# KiCad board inverter.kicad_pcb
title: Ownverter V0.1; date: 2023-05-24; note: Walter; note: PREL
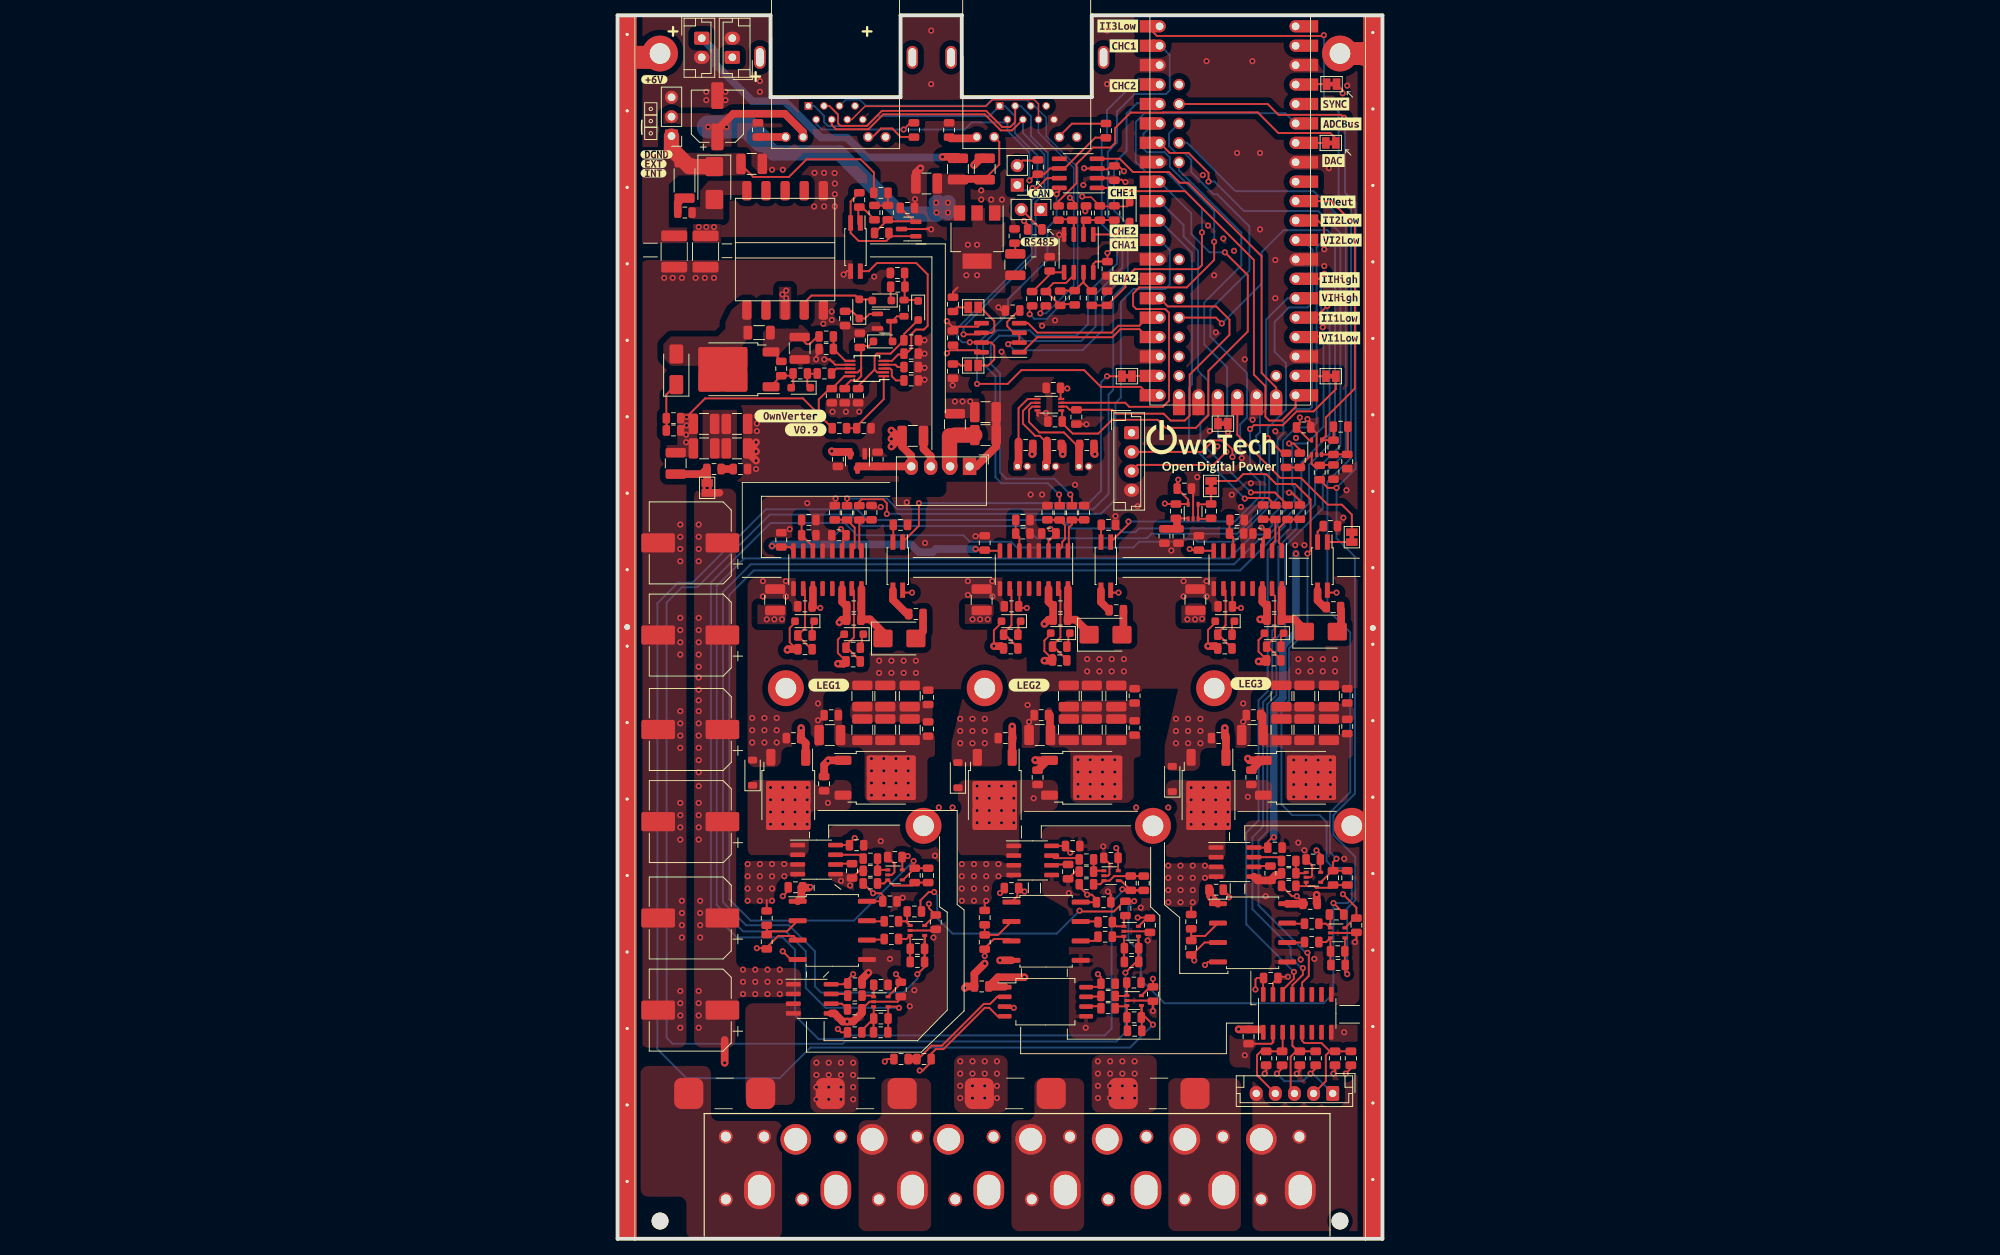
[diagram p0: board, top side]
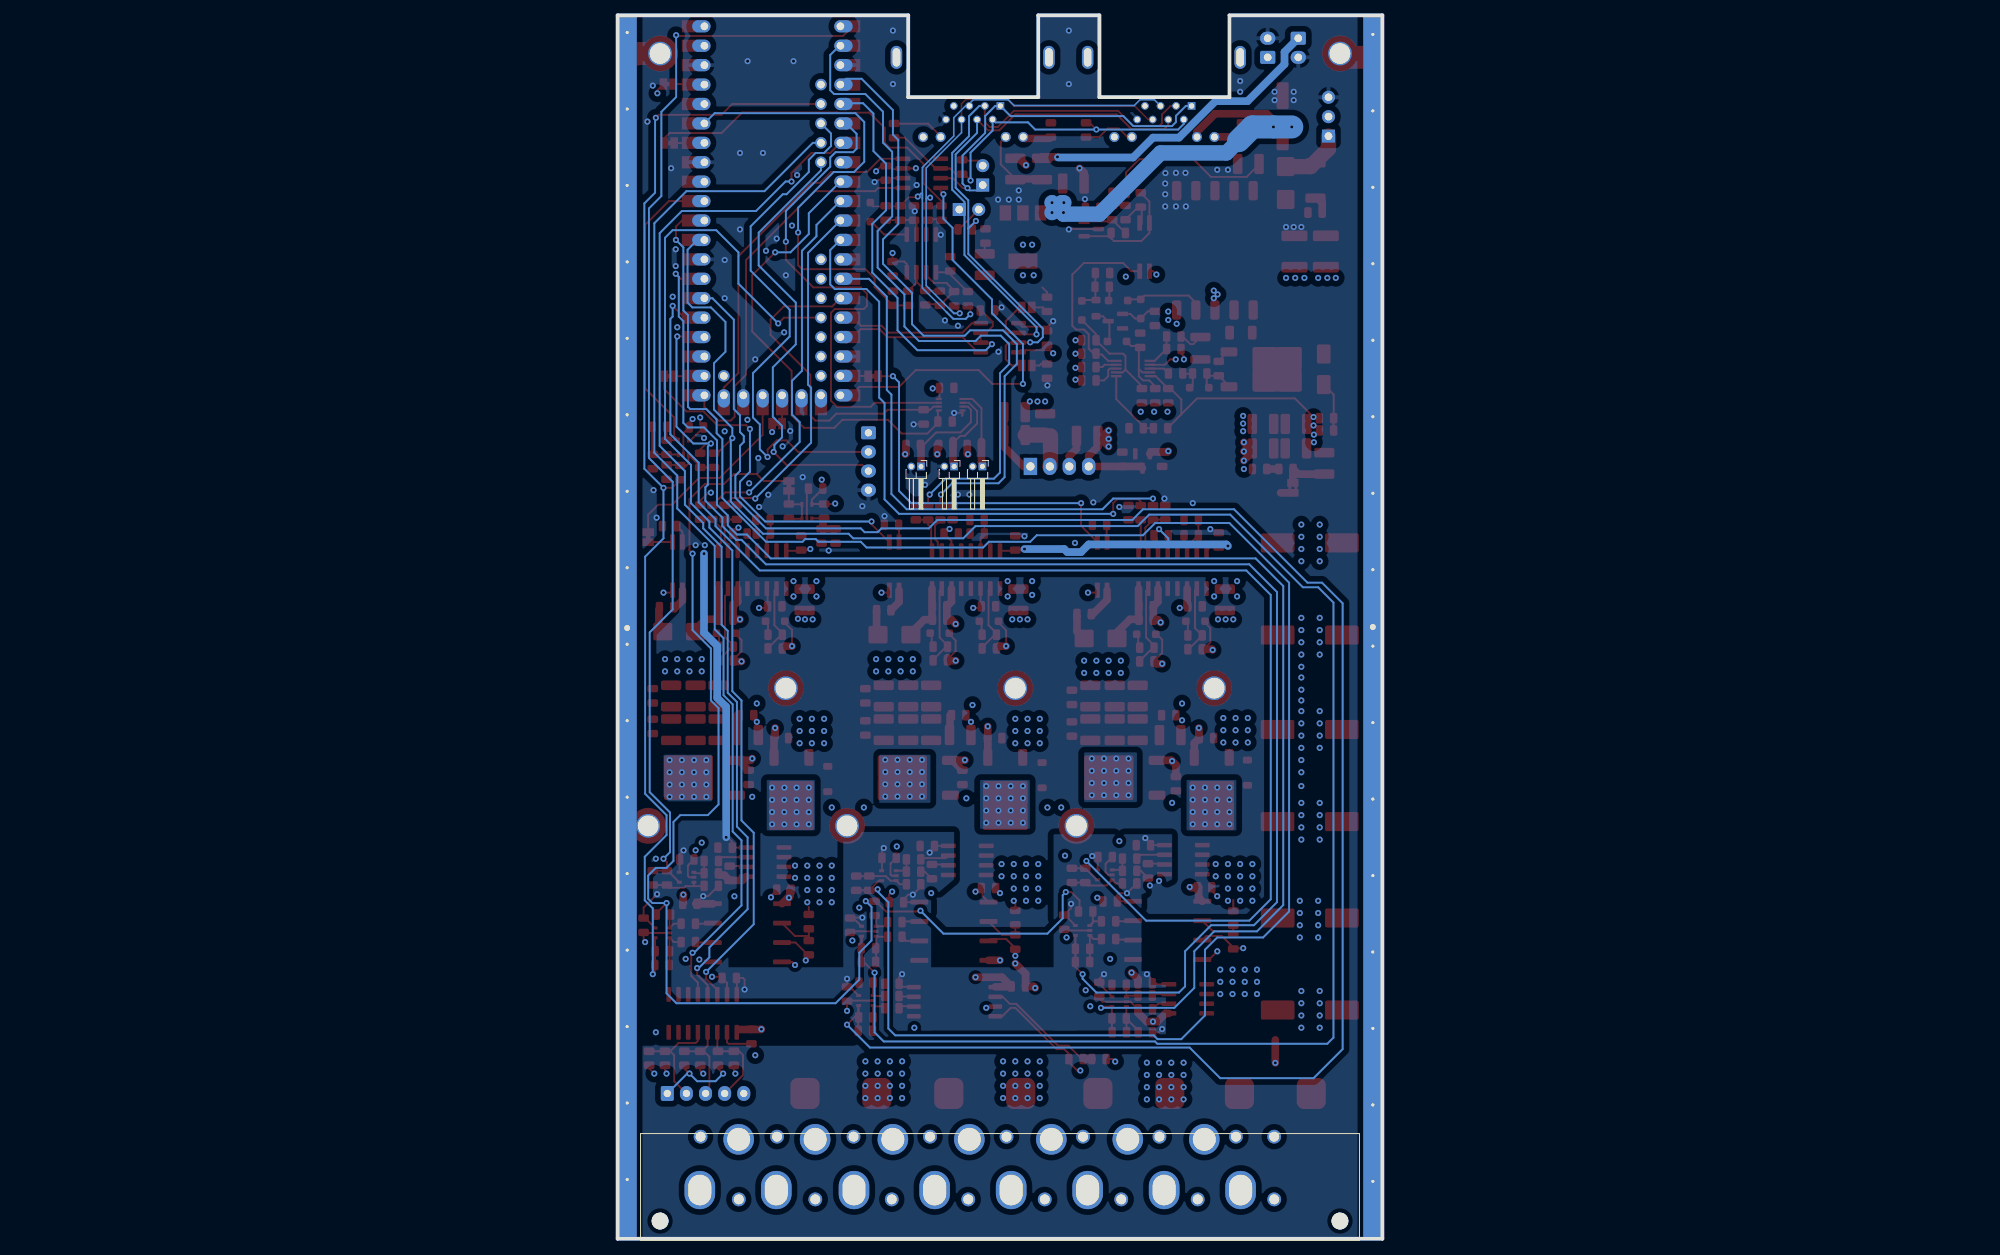
[diagram p1: board, bottom side, seen from below]

Outline 100 x 160 mm; copper layers: Top, In1.Cu (plane), In2.Cu (plane), In3.Cu, In4.Cu, Bottom. Coordinates in mm from the lower left corner of the outline.
Outline path: 0,160 0,0 100,0 100,160 62,160 62,149.3 45,149.3 45,160 37,160 37,149.3 20,149.3 20,160 0,160
Stack: Top 0.035mm / dielectric 0.0994mm FR4 er 4.5 / In1.Cu 0.0152mm / dielectric 0.55mm FR4 er 4.5 / In2.Cu 0.0152mm / dielectric 0.1088mm FR4 er 4.5 / In3.Cu 0.0152mm / dielectric 0.55mm FR4 er 4.5 / In4.Cu 0.0152mm / dielectric 0.0994mm FR4 er 4.5 / Bottom 0.035mm

## Placement (name value [footprint] x y rotation side)
C201  100nF  [C_0805_2012Metric]  47.6 33 180 top
C202  100nF  [C_0805_2012Metric]  31.03 33.4 180 top
C203  100nF  [C_0805_2012Metric]  64.14 33.35 180 top
C204  1nF  [C_0805_2012Metric]  31 30 180 top
C207  20pF  [C_0805_2012Metric]  67.6 27.2 0 top
C209  100nF  [C_0805_2012Metric]  70 32 270 top
C217  20pF  [C_0805_2012Metric]  34.42 28.8 0 top
C218  100nF  [C_0805_2012Metric]  37.03 32.6 270 top
C301  20pF  [C_0805_2012Metric]  94.54 106.2 180 top
C401  100nF  [C_0805_2012Metric]  64.95 139.37 270 top
C410  100nF  [C_0805_2012Metric]  43.85 117.8 90 top
C411  20pF  [C_0805_2012Metric]  59.77 123.06 270 top
C412  20pF  [C_0805_2012Metric]  64.95 134.15 90 top
C413  100nF  [C_0805_2012Metric]  64.05 126.85 270 top
C420  100nF  [C_0805_2012Metric]  56.97 111.28 0 top
C470  15nF  [C_0805_2012Metric]  64 123 90 top
C490  100nF  [C_0805_2012Metric]  93.6 100.26 270 top
C491  100nF  [C_0805_2012Metric]  89.7 106.1 0 top
C501  470nF  [C_0805_2012Metric]  12.61 100.66 0 top
C502  470nF  [C_0805_2012Metric]  16.06 100.66 0 top
C503  4.7uF  [C_1210_3225Metric]  11.31 103.36 0 top
C504  4.7uF  [C_1210_3225Metric]  15.61 103.36 0 top
C505  4.7uF  [C_1210_3225Metric]  11.3 106.56 0 top
C506  4.7uF  [C_1210_3225Metric]  15.61 106.56 0 top
C507  10nF  [C_0805_2012Metric]  31.45 110.25 90 top
C508  22nF  [C_0805_2012Metric]  38.38 112.25 0 top
C509  1nF  [C_0805_2012Metric]  38.38 115.75 0 top
C510  C0G, 100pF  [C_0805_2012Metric]  27.28 116.36 180 top
C511  X7T, 100nF  [C_0805_2012Metric]  28 110.25 270 top
C512  1uF  [C_0805_2012Metric]  31.67 117.5 90 top
C513  1uF  [C_0805_2012Metric]  36.59 126.3 180 top
C514  6.8nF  [C_0805_2012Metric]  7.31 107.31 180 top
C515  100pF  [C_1206_3216Metric]  18.5 118.5 0 top
C516  2.2nF  [C_1812_4532Metric]  11.5 129.11 90 top
C517  2.2nF  [C_1812_4532Metric]  7.4 129.11 90 top
C518  1nF  [C_0805_2012Metric]  8.8 134.2 180 top
C519  10uF  [C_1210_3225Metric]  17.52 140.56 0 top
C520  6.8nF  [C_0805_2012Metric]  34.54 131.53 180 top
C521  100uF  [CP_Elec_6.3x7.7]  13.05 146.8 90 top
C522  10uF  [C_1210_3225Metric]  40.4 138 180 top
C523  10uF  [C_1210_3225Metric]  52 127.4 90 top
C524  10uF  [C_1210_3225Metric]  48.1 108.1 0 top
C525  10uF  [C_1210_3225Metric]  48.1 105.1 0 top
C526  10uF  [C_1210_3225Metric]  38.6 105 0 top
C527  1uF  [C_0805_2012Metric]  34 101.94 90 top
C528  1uF  [C_0805_2012Metric]  28.8 101.94 270 top
C529  20pF  [C_0805_2012Metric]  73.33 91.9 90 top
C530  100nF  [C_0805_2012Metric]  74.1 98.1 0 top
C531  20pF  [C_0805_2012Metric]  77.6 95.15 270 top
C601  100nF  [C_0805_2012Metric]  23.25 45.97 0 top
C602  100nF  [C_0805_2012Metric]  28.94 92 180 top
C603  20pF  [C_0805_2012Metric]  33.2 94.96 270 top
C604  20pF  [C_0805_2012Metric]  28.4 94.96 90 top
C605  100nF  [C_0805_2012Metric]  21.4 91.4 90 top
C606  100nF  [C_0805_2012Metric]  35.6 44.12 0 top
C607  100nF  [C_0805_2012Metric]  25 92 0 top
C608  1nF  [C_0805_2012Metric]  27.94 68.47 180 top
C609  100nF  [C_1210_3225Metric]  27.75 65.86 180 top
C610  20pF  [C_0805_2012Metric]  39.2 37.91 0 top
C611  100nF  [C_0805_2012Metric]  31.25 51.47 0 top
C612  100nF  [C_0805_2012Metric]  30.89 82.7 180 top
C613  100nF  [C_0805_2012Metric]  41.6 41.4 270 top
C614  100nF  [C_0805_2012Metric]  24.5 82.7 180 top
C615  1uF  [C_0805_2012Metric]  30.89 80.96 180 top
C616  10uF  [C_1210_3225Metric]  20.6 83.56 90 top
C617  1nF  [C_0805_2012Metric]  30.65 48.12 90 top
C618  20pF  [C_0805_2012Metric]  40.6 47.51 90 top
C619  100nF  [C_0805_2012Metric]  36.25 49.91 180 top
C620  33uF  [CP_Elec_10x10.5]  9.5 91 180 top
C621  33uF  [CP_Elec_10x10.5]  9.5 78.95 180 top
C622  4.7uF  [C_1210_3225Metric]  38.2 66.58 90 top
C623  4.7uF  [C_1210_3225Metric]  35 70.97 90 top
C624  4.7uF  [C_1210_3225Metric]  35 66.58 90 top
C625  4.7uF  [C_1210_3225Metric]  38.2 70.97 90 top
C626  4.7uF  [C_1210_3225Metric]  32 66.58 90 top
C627  4.7uF  [C_1210_3225Metric]  32 70.97 90 top
C701  100nF  [C_0805_2012Metric]  51.5 45.86 0 top
C702  100nF  [C_0805_2012Metric]  56.39 92.22 180 top
C703  20pF  [C_0805_2012Metric]  61 94.96 270 top
C704  20pF  [C_0805_2012Metric]  56.2 94.96 90 top
C705  100nF  [C_0805_2012Metric]  48 91 90 top
C706  100nF  [C_0805_2012Metric]  63.55 44.01 0 top
C707  100nF  [C_0805_2012Metric]  52.99 92.22 0 top
C708  1nF  [C_0805_2012Metric]  55.4 68.47 180 top
C709  100nF  [C_1210_3225Metric]  55.2 65.88 180 top
C710  20pF  [C_0805_2012Metric]  67.2 38 0 top
C711  100nF  [C_0805_2012Metric]  59.5 51.36 0 top
C712  100nF  [C_0805_2012Metric]  57.89 82.7 180 top
C713  100nF  [C_0805_2012Metric]  69.6 41 270 top
C714  100nF  [C_0805_2012Metric]  51.5 82.7 180 top
C715  1uF  [C_0805_2012Metric]  57.89 80.96 180 top
C716  10uF  [C_1210_3225Metric]  47.6 83.56 90 top
C717  1nF  [C_0805_2012Metric]  58.9 48.01 90 top
C718  20pF  [C_0805_2012Metric]  67.1 46.5 270 top
C719  100nF  [C_0805_2012Metric]  64.5 49.81 180 top
C720  33uF  [CP_Elec_10x10.5]  9.51 66.6 180 top
C721  33uF  [CP_Elec_10x10.5]  9.51 54.55 180 top
C722  4.7uF  [C_1210_3225Metric]  65.2 66.58 90 top
C723  4.7uF  [C_1210_3225Metric]  62 70.97 90 top
C724  4.7uF  [C_1210_3225Metric]  62 66.58 90 top
C725  4.7uF  [C_1210_3225Metric]  65.2 70.97 90 top
C726  4.7uF  [C_1210_3225Metric]  59 66.58 90 top
C727  4.7uF  [C_1210_3225Metric]  59 70.97 90 top
C801  100nF  [C_0805_2012Metric]  78.25 45.65 180 top
C802  100nF  [C_0805_2012Metric]  84 92.22 180 top
C803  20pF  [C_0805_2012Metric]  89.2 95.03 270 top
C804  20pF  [C_0805_2012Metric]  84.4 95.03 90 top
C805  100nF  [C_0805_2012Metric]  76 91 90 top
C806  100nF  [C_0805_2012Metric]  90.55 43.8 0 top
C807  100nF  [C_0805_2012Metric]  80.94 92.22 0 top
C808  1nF  [C_0805_2012Metric]  83.14 68.47 180 top
C809  100nF  [C_1210_3225Metric]  83 65.88 180 top
C810  20pF  [C_0805_2012Metric]  94.15 37.6 0 top
C811  100nF  [C_0805_2012Metric]  85.95 51.15 0 top
C812  100nF  [C_0805_2012Metric]  85.84 82.7 180 top
C813  100nF  [C_0805_2012Metric]  96.6 41 270 top
C814  100nF  [C_0805_2012Metric]  79.45 82.7 180 top
C815  1uF  [C_0805_2012Metric]  85.84 80.96 180 top
C816  10uF  [C_1210_3225Metric]  75.55 83.56 90 top
C817  1nF  [C_0805_2012Metric]  85.35 47.8 90 top
C818  20pF  [C_0805_2012Metric]  95.4 47.2 90 top
C819  100nF  [C_0805_2012Metric]  90.95 49.6 180 top
C820  33uF  [CP_Elec_10x10.5]  9.5 41.95 180 top
C821  33uF  [CP_Elec_10x10.5]  9.5 29.9 180 top
C822  4.7uF  [C_1210_3225Metric]  93 66.58 90 top
C823  4.7uF  [C_1210_3225Metric]  89.8 70.97 90 top
C824  4.7uF  [C_1210_3225Metric]  89.8 66.58 90 top
C825  4.7uF  [C_1210_3225Metric]  93 70.97 90 top
C826  4.7uF  [C_1210_3225Metric]  86.8 66.58 90 top
C827  4.7uF  [C_1210_3225Metric]  86.8 70.97 90 top
C901  100nF  [C_0805_2012Metric]  82.5 26.44 90 top
C902  100nF  [C_0805_2012Metric]  85.4 34.1 0 top
D403  PMEG2010AEJ,115  [D_SOD-323_HandSoldering]  66.95 134.26 270 top
D501  6.2V  [D_SOD-323_HandSoldering]  39.3 121.4 270 top
D502  BAS20HT1G  [D_SOD-323_HandSoldering]  34.7 117.35 0 top
D503  BAS20HT1G  [D_SOD-323_HandSoldering]  23.95 111.3 180 top
D504  MURA130T3G  [D_SMA]  7.67 113.7 90 top
D505  BAS20HT1G  [D_SOD-323_HandSoldering]  34.55 122.7 180 top
D506  BAS20HT1G  [D_SOD-323_HandSoldering]  31.6 121.6 90 top
D507  STTH4R02U  [D_SMB]  12.65 138.06 270 top
D601  PMEG2010AEJ,115  [D_SOD-323_HandSoldering]  24.45 80.76 180 top
D602  PMEG2010AEJ,115  [D_SOD-323_HandSoldering]  30.88 79.06 180 top
D604  S115FA  [D_SOD-123]  17.65 60.95 90 top
D605  PU3DBH  [D_SMB]  36.85 78.5 0 top
D701  PMEG2010AEJ,115  [D_SOD-323_HandSoldering]  51.45 80.76 180 top
D702  PMEG2010AEJ,115  [D_SOD-323_HandSoldering]  57.88 79.2 180 top
D704  S115FA  [D_SOD-123]  44.5 60.62 90 top
D705  PU3DBH  [D_SMB]  63.8 79 0 top
D801  PMEG2010AEJ,115  [D_SOD-323_HandSoldering]  79.4 80.76 180 top
D802  PMEG2010AEJ,115  [D_SOD-323_HandSoldering]  85.83 79.19 180 top
D804  S115FA  [D_SOD-123]  72.53 60.12 90 top
D805  PU3DBH  [D_SMB]  91.95 79.4 0 top
F201  30A  [F_0678H_Bel]  14 19 0 top
F401  350mA  [Fuse_1210_3225Metric]  44.5 139.9 270 top
F402  350mA  [Fuse_1210_3225Metric]  48 139.9 270 top
F601  25A  [F_0678H_Bel]  32.5 19 0 top
F701  25A  [F_0678H_Bel]  52 19 0 top
F801  25A  [F_0678H_Bel]  70.8 19 0 top
G***  LOGO  [owntech18mm]  77.6 103.6 0 top
H101  M2.5  [MountingHole_2.7mm_M2.5_DIN965_Pad_TopOnly]  22 72 0 top
H102  M2.5  [MountingHole_2.7mm_M2.5_DIN965_Pad_TopOnly]  48 72 0 top
H103  M2.5  [MountingHole_2.7mm_M2.5_DIN965_Pad_TopOnly]  78 72 0 top
H104  M2.5  [MountingHole_2.7mm_M2.5_DIN965_Pad_TopOnly]  40 54 0 top
H105  M2.5  [MountingHole_2.7mm_M2.5_DIN965_Pad_TopOnly]  70 54 0 top
H106  M2.5  [MountingHole_2.7mm_M2.5_DIN965_Pad_TopOnly]  96 54 0 top
H107  M2.5  [MountingHole_2.7mm_M2.5_DIN965_Pad_TopOnly]  5.55 155 0 top
H108  M2.5  [MountingHole_2.7mm_M2.5_DIN965_Pad_TopOnly]  94.45 155 0 top
J101  Harting-15 and Wago 6  [Harting - 15contacts and Wago]  18.25 7.4 180 top
J301  Conn_01x04  [JST_EH_B4B-EH-A_1x04_P2.50mm_Vertical]  67.2 105.4 270 top
J401  Conn_01x02_Male  [JST_EH_B2B-EH-A_1x02_P2.50mm_Vertical]  11 157 270 top
J402  Conn_01x02_Male  [JST_EH_B2B-EH-A_1x02_P2.50mm_Vertical]  15 154.5 90 top
J403  RJ45_LED_Shielded  [ethernet_RJE721881411]  24.95 148.15 0 top
J404  RJ45_LED_Shielded  [ethernet_RJE721881411]  49.95 148.15 0 top
J501  Conn_01x03  [PinHeader_1x03_P2.54mm_Vertical]  7.05 144.2 180 top
J901  Conn_01x05  [JST_EH_B5B-EH-A_1x05_P2.50mm_Vertical]  93.5 19 180 top
JP401  Jumper  [PinHeader_1x02_P2.54mm_Vertical]  52.26 137.8 180 top
JP402  Jumper_2_Bridged  [SolderJumper-2_P1.3mm_Bridged_Pad1.0x1.5mm]  66.6 112.8 180 top
JP403  Jumper  [PinHeader_1x02_P2.54mm_Vertical]  55.33 134.6 270 top
JP404  Jumper_2_Bridged  [SolderJumper-2_P1.3mm_Bridged_Pad1.0x1.5mm]  93.25 112.8 0 top
JP405  Jumper_2_Bridged  [SolderJumper-2_P1.3mm_Bridged_Pad1.0x1.5mm]  96 91.75 270 top
JP406  Jumper_2_Bridged  [SolderJumper-2_P1.3mm_Bridged_Pad1.0x1.5mm]  93.35 151 0 top
JP408  Jumper_2_Bridged  [SolderJumper-2_P1.3mm_Open_Pad1.0x1.5mm]  46.5 121.8 0 top
JP409  Jumper_2_Bridged  [SolderJumper-2_P1.3mm_Open_Pad1.0x1.5mm]  46.5 114.2 180 top
JP410  Jumper_2_Bridged  [SolderJumper-2_P1.3mm_Bridged_Pad1.0x1.5mm]  79.15 106.6 0 top
JP417  Jumper_2_Bridged  [SolderJumper-2_P1.3mm_Bridged_Pad1.0x1.5mm]  93.25 143.3 0 top
JP501  Jumper_2_Bridged  [SolderJumper-2_P1.3mm_Bridged2Bar_Pad1.0x1.5mm]  11.71 98.2 90 top
JP502  SolderJumper_2_Open  [SolderJumper-2_P1.3mm_Bridged_Pad1.0x1.5mm]  77.6 98.45 90 top
kibuzzard-62A80B88  G***  [kibuzzard-62A80B88]  5.1 141.8 0 top
kibuzzard-62CEA511  G***  [kibuzzard-62CEA511]  4.73 140.57 0 top
kibuzzard-62CEA520  G***  [kibuzzard-62CEA520]  4.7 139.35 0 top
kibuzzard-62CEA547  G***  [kibuzzard-62CEA547]  4.8 151.6 0 top
kibuzzard-62CEF83D  G***  [kibuzzard-62CEF83D]  55.33 136.72 0 top
kibuzzard-62CEF826  G***  [kibuzzard-62CEF826]  55.15 130.38 0 top
kibuzzard-6486EE60  G***  [kibuzzard-6486EE60]  27.6 72.4 0 top
kibuzzard-6486EEA8  G***  [kibuzzard-6486EEA8]  53.8 72.4 0 top
kibuzzard-6486EEB3  G***  [kibuzzard-6486EEB3]  82.8 72.6 0 top
kibuzzard-6486EEE8  G***  [kibuzzard-6486EEE8]  94.4 117.8 0 top
kibuzzard-6486EEFC  G***  [kibuzzard-6486EEFC]  94.4 120.4 0 top
kibuzzard-6486EF3C  G***  [kibuzzard-6486EF3C]  93.6 141 0 top
kibuzzard-6486EF04  G***  [kibuzzard-6486EF04]  94.4 123 0 top
kibuzzard-6486EF5D  G***  [kibuzzard-6486EF5D]  66.2 130 0 top
kibuzzard-6486EF6A  G***  [kibuzzard-6486EF6A]  66 136.8 0 top
kibuzzard-6486EF17  G***  [kibuzzard-6486EF17]  94.6 130.6 0 top
kibuzzard-6486EF26  G***  [kibuzzard-6486EF26]  94.6 133.2 0 top
kibuzzard-6486EF36  G***  [kibuzzard-6486EF36]  93.8 148.4 0 top
kibuzzard-6486EF45  G***  [kibuzzard-6486EF45]  94.6 145.8 0 top
kibuzzard-6486EF63  G***  [kibuzzard-6486EF63]  66.2 125.6 0 top
kibuzzard-6486EF76  G***  [kibuzzard-6486EF76]  66.2 131.8 0 top
kibuzzard-6486EF87  G***  [kibuzzard-6486EF87]  66.2 156 0 top
kibuzzard-6486EF90  G***  [kibuzzard-6486EF90]  66.2 150.8 0 top
kibuzzard-6486EFB1  G***  [kibuzzard-6486EFB1]  94.4 125.4 0 top
kibuzzard-6486EFD1  G***  [kibuzzard-6486EFD1]  94.2 135.6 0 top
kibuzzard-6486F0C0  G***  [kibuzzard-6486F0C0]  22.6 107.6 0 top
kibuzzard-6486F0D4  G***  [kibuzzard-6486F0D4]  24.6 105.8 0 top
kibuzzard-6486F068  G***  [kibuzzard-6486F068]  65.4 158.6 0 top
L501  10uH  [L_1210_3225Metric]  7.6 101.4 90 top
L502  100uH  [L_0805_2012Metric]  37.45 121.7 90 top
L503  22uH  [L_1210_3225Metric]  44.1 106.5 270 top
N101  Housing_Pad  [Guard_ring]  0 160 0 top
NTC501  100kNTC  [R_0805_2012Metric]  38.38 117.5 0 top
PS501  TBA 1-0512  [Converter_DCDC_Murata_MEE1SxxxxSC_THT]  46.02 101 270 top
Q501  60V N channel  [SOT-23_copy]  34.91 120 0 top
Q502  TK13P25D,RQ  [TO-252-2]  15.02 113.7 180 top
Q601  IPD200N15N3  [TO-252-2]  34.52 60.29 0 top
Q602  IPD200N15N3  [TO-252-2]  22.31 57.91 270 top
Q701  IPD200N15N3  [TO-252-2]  61.52 60.29 0 top
Q702  IPD200N15N3  [TO-252-2]  49.31 57.91 270 top
Q801  IPD200N15N3  [TO-252-2]  89.47 60.29 0 top
Q802  IPD200N15N3  [TO-252-2]  77.27 57.91 270 top
R201  330k  [R_0805_2012Metric]  37.06 23.5 0 top
R202  5.6k  [R_0805_2012Metric]  40.06 23.5 0 top
R203  27k  [R_0805_2012Metric]  64.14 31.75 0 top
R204  27k  [R_0805_2012Metric]  64.14 30.15 0 top
R205  12k  [R_0805_2012Metric]  67.5 33.5 180 top
R206  12k  [R_0805_2012Metric]  67.54 28.95 0 top
R209  5.9k  [R_0805_2012Metric]  31.03 31.8 0 top
R210  20k  [R_0805_2012Metric]  31 27 0 top
R211  20k  [R_0805_2012Metric]  34.42 33.2 0 top
R212  5.9k  [R_0805_2012Metric]  34.4 27 0 top
R401  120R  [R_0805_2012Metric]  54.95 140.16 270 top
R402  330R  [R_0805_2012Metric]  38.75 145 270 top
R403  3k  [R_0805_2012Metric]  18.35 145 270 top
R404  330R  [R_0805_2012Metric]  63.85 144.91 90 top
R405  3k  [R_0805_2012Metric]  43.35 145 270 top
R406  20k  [R_0805_2012Metric]  53.36 103.8 0 top
R407  20k  [R_0805_2012Metric]  57.06 103.8 0 top
R409  4.7k  [R_0805_2012Metric]  43.85 122.2 270 top
R410  120R  [R_0805_2012Metric]  54.55 132 180 top
R411  4.7k  [R_0805_2012Metric]  43.85 113.46 270 top
R412  4.7k  [R_0805_2012Metric]  51.65 121.4 180 top
R413  4.7k  [R_0805_2012Metric]  57.65 134.14 270 top
R414  4.7k  [R_0805_2012Metric]  61.25 134.14 270 top
R415  4.7k  [R_0805_2012Metric]  57.87 123 270 top
R416  4.7k  [R_0805_2012Metric]  63.05 134.14 90 top
R417  4.7k  [R_0805_2012Metric]  59.45 134.14 90 top
R418  4.7k  [R_0805_2012Metric]  56 122.94 270 top
R419  4.7k  [R_0805_2012Metric]  54.2 122.94 270 top
R425  10k  [R_0805_2012Metric]  57.19 106.88 180 top
R426  10k  [R_0805_2012Metric]  59.99 107.47 270 top
R428  4.7k  [R_0805_2012Metric]  56.5 127.5 270 top
R450  20k  [R_0805_2012Metric]  61.35 103.8 0 top
R470  120R  [R_0805_2012Metric]  62 123 90 top
R490  10k  [R_0805_2012Metric]  89.2 101.8 90 top
R491  10k  [R_0805_2012Metric]  87.4 101.8 90 top
R492  10k  [R_0805_2012Metric]  91.8 100.2 270 top
R494  20k  [R_0805_2012Metric]  95.4 101.64 90 top
R495  10k  [R_0805_2012Metric]  93.6 103.5 270 top
R501  348k  [R_0805_2012Metric]  29 106 0 top
R502  27k  [R_0805_2012Metric]  32.2 106 0 top
R503  100k  [R_0805_2012Metric]  38.38 114 0 top
R504  1.4k  [R_0805_2012Metric]  29.7 110.25 270 top
R505  2.2R  [R_0805_2012Metric]  27.04 113.16 180 top
R506  470R  [R_0805_2012Metric]  27.28 118 180 top
R507  10R  [R_0805_2012Metric]  23.89 113.16 180 top
R508  10k  [R_0805_2012Metric]  21.4 113.8 270 top
R509  348k  [R_0805_2012Metric]  7.31 105.71 0 top
R510  240m  [R_1210_3225Metric]  23.8 116.46 270 top
R511  10R  [R_0805_2012Metric]  36.64 124.5 180 top
R512  1.4k  [R_0805_2012Metric]  29.75 120.35 270 top
R513  10R  [R_2010_5025Metric]  8.75 138.4 90 top
R514  1.4k  [R_0805_2012Metric]  33.59 134.2 270 top
R515  10k  [R_0805_2012Metric]  31.6 135.86 90 top
R516  10R  [R_0805_2012Metric]  34.42 136.78 0 top
R517  38.3k  [R_0805_2012Metric]  35.34 134.2 270 top
R518  27k  [R_0805_2012Metric]  37.9 134.81 0 top
R519  1R  [R_0805_2012Metric]  51.9 131.14 90 top
R520  47k  [R_0805_2012Metric]  73 95.15 270 top
R521  12k  [R_0805_2012Metric]  71.5 91.9 270 top
R601  2.2R  [R_0805_2012Metric]  30.8 77.3 0 top
R602  2.2R  [R_0805_2012Metric]  30.8 75.5 180 top
R603  2.2R  [R_0805_2012Metric]  24.5 78.9 0 top
R604  2.2R  [R_0805_2012Metric]  24.5 77.1 180 top
R605  51R  [R_0805_2012Metric]  31.6 94.94 270 top
R606  51R  [R_0805_2012Metric]  30 94.94 270 top
R607  1k  [R_0805_2012Metric]  27 59.51 90 top
R608  1k  [R_0805_2012Metric]  23 65.47 0 top
R609  20k  [R_0805_2012Metric]  25 94 180 top
R610  51R  [R_0805_2012Metric]  36.98 93.36 180 top
R611  27k  [R_0805_2012Metric]  35.8 41.51 0 top
R612  27k  [R_0805_2012Metric]  35.8 39.2 0 top
R613  12k  [R_0805_2012Metric]  38.8 42.8 180 top
R614  2.2R  [R_0805_2012Metric]  39 81.7 180 top
R615  12k  [R_0805_2012Metric]  39.2 36.2 0 top
R616  150k  [R_0805_2012Metric]  19.5 41.94 270 top
R617  470R  [R_0805_2012Metric]  19.5 38.84 270 top
R618  5.9k  [R_0805_2012Metric]  33.05 49.72 0 top
R619  20k  [R_0805_2012Metric]  33.05 46.47 0 top
R620  20k  [R_0805_2012Metric]  33.05 48.12 180 top
R621  5.9k  [R_0805_2012Metric]  38.85 47.51 90 top
R622  1M  [R_0805_2012Metric]  40.6 66.66 90 top
R623  1M  [R_0805_2012Metric]  40.6 70.8 90 top
R701  2.2R  [R_0805_2012Metric]  57.8 77.44 0 top
R702  2.2R  [R_0805_2012Metric]  57.8 75.64 180 top
R703  2.2R  [R_0805_2012Metric]  51.4 79 0 top
R704  2.2R  [R_0805_2012Metric]  51.4 77.2 180 top
R705  51R  [R_0805_2012Metric]  59.4 94.94 270 top
R706  51R  [R_0805_2012Metric]  57.8 94.94 270 top
R707  1k  [R_0805_2012Metric]  54.92 60.34 90 top
R708  1k  [R_0805_2012Metric]  50.7 65.47 0 top
R709  20k  [R_0805_2012Metric]  53 94 180 top
R710  51R  [R_0805_2012Metric]  64.19 93.36 180 top
R711  27k  [R_0805_2012Metric]  63.75 41.41 0 top
R712  27k  [R_0805_2012Metric]  63.75 39.5 0 top
R713  12k  [R_0805_2012Metric]  66.4 43.2 270 top
R714  2.2R  [R_0805_2012Metric]  65.2 82.2 180 top
R715  12k  [R_0805_2012Metric]  67.2 36.2 0 top
R716  150k  [R_0805_2012Metric]  48 42 270 top
R717  470R  [R_0805_2012Metric]  48 38.8 270 top
R718  5.9k  [R_0805_2012Metric]  61.3 49.61 0 top
R719  20k  [R_0805_2012Metric]  61.3 46.36 0 top
R720  20k  [R_0805_2012Metric]  61.3 48.01 180 top
R721  5.9k  [R_0805_2012Metric]  68.8 46.49 270 top
R722  1M  [R_0805_2012Metric]  67.6 66.8 90 top
R723  1M  [R_0805_2012Metric]  67.6 71 90 top
R801  2.2R  [R_0805_2012Metric]  85.8 77.43 0 top
R802  2.2R  [R_0805_2012Metric]  85.8 75.63 180 top
R803  2.2R  [R_0805_2012Metric]  79.4 79 0 top
R804  2.2R  [R_0805_2012Metric]  79.4 77.2 180 top
R805  51R  [R_0805_2012Metric]  87.6 95 270 top
R806  51R  [R_0805_2012Metric]  86 95 270 top
R807  1k  [R_0805_2012Metric]  82.86 60.34 90 top
R808  1k  [R_0805_2012Metric]  78.59 65.47 0 top
R809  20k  [R_0805_2012Metric]  81 94 180 top
R810  51R  [R_0805_2012Metric]  93.2 93.2 180 top
R811  27k  [R_0805_2012Metric]  90.75 41.2 0 top
R812  27k  [R_0805_2012Metric]  90.75 38.8 0 top
R813  12k  [R_0805_2012Metric]  94 42.4 180 top
R814  2.2R  [R_0805_2012Metric]  93.6 82.6 180 top
R815  12k  [R_0805_2012Metric]  94.2 35.8 0 top
R816  150k  [R_0805_2012Metric]  75 41.47 270 top
R817  470R  [R_0805_2012Metric]  75 38.06 270 top
R818  5.9k  [R_0805_2012Metric]  87.75 49.4 0 top
R819  20k  [R_0805_2012Metric]  87.75 46.15 0 top
R820  20k  [R_0805_2012Metric]  87.75 47.8 180 top
R821  5.9k  [R_0805_2012Metric]  93.55 47.2 90 top